# Altium PCB 10515.0461_全联供输出板_V1.1_20200827_1P.PcbDoc (part 3 of 4)
Units mm, origin at the board's own origin, x right, y up, seen from the top; angles counter-clockwise.
Board outline 141.98 x 134.8 mm, 2 copper layers (Top Layer, Bottom Layer); 162 components, 136 nets, 665 pads, 421 vias.
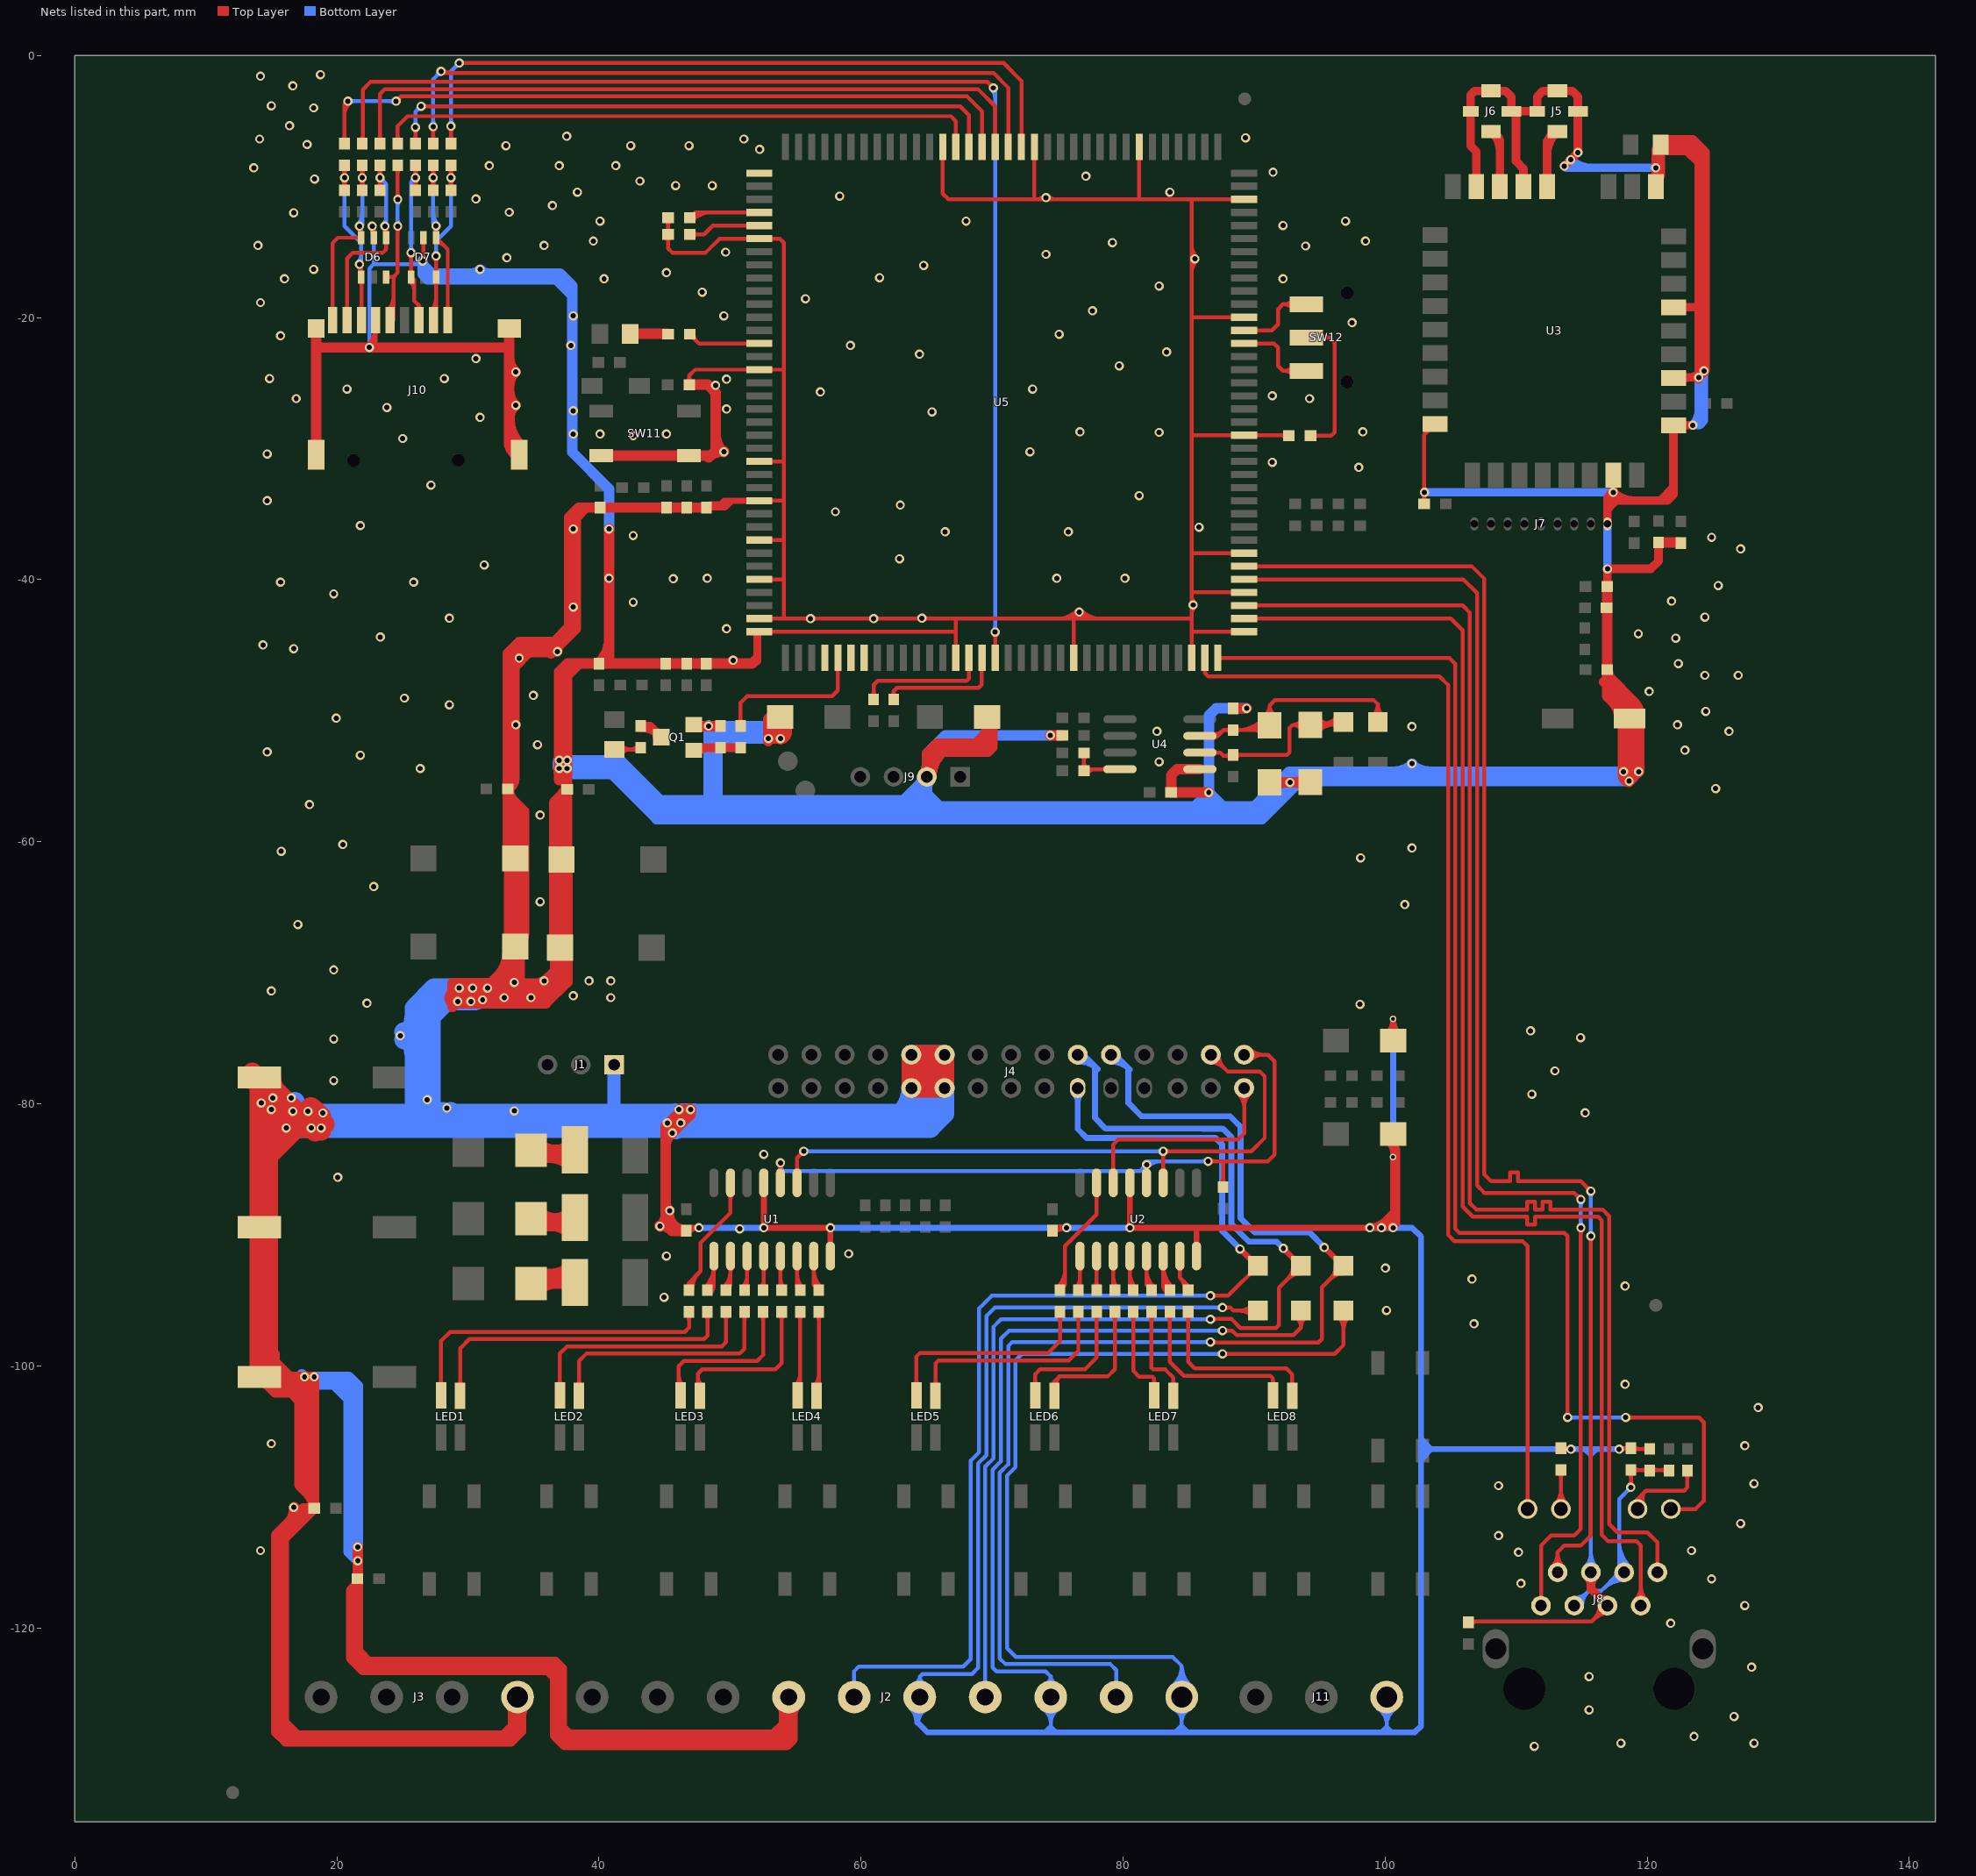
[diagram p3: the nets of this part, all layers, seen from the top]

## Via types
v1: diameter 0.7, hole 0.4, Top Layer to Bottom Layer, tented both sides, 417 vias
v2: diameter 0.5, hole 0.3, Top Layer to Bottom Layer, tented both sides, 4 vias

## Nets (pads, with @x,y where several pads share a name; then routed paths per layer and width w, separated by ;. In a path a pad name is that pad's centre, name@x,y a point inside that pad or via, vN(x,y) a via of type N, cw(c..) or ccw(c..) an arc to the next point about the centre after c; other vN are vias at no path point) (continued)
GND: (continued)
  other v1: 111.379,-129.032 117.983,-128.793 128.143,-128.793 123.571,-128.285 126.619,-126.761 115.57,-126.253 115.57,-123.713 127.956,-122.989 121.793,-119.649 127.448,-118.29 110.363,-116.601 124.908,-116.258 110.176,-114.226 14.164,-114.099 123.384,-114.099 21.59,-113.817 108.652,-112.956 127.127,-112.029 16.704,-110.797 108.652,-109.146 128.143,-108.981 127.448,-106.098 14.986,-105.933 128.464,-103.177 118.304,-101.399 106.782,-96.789 100.101,-95.773 44.958,-94.757 118.304,-93.906 106.62,-93.37 100.016,-92.532 45.152,-91.62 59.055,-91.44 50.74,-89.535 99.72,-89.461 44.644,-89.334 45.399,-88.153 20.066,-85.613 52.578,-83.857 45.593,-82.222 18.034,-81.841 45.212,-81.46 46.228,-81.46 18.923,-80.698 115.256,-80.696 16.637,-80.571 17.78,-80.571 33.528,-80.533 14.986,-80.444 46.101,-80.444 28.388,-80.317 26.888,-79.688 15.113,-79.555 16.51,-79.555 111.192,-79.273 19.752,-78.232 112.954,-77.485 19.752,-75.057 114.91,-74.945 24.832,-74.803 111.1,-74.437 98.069,-72.405 22.292,-72.316 29.21,-72.189 30.226,-72.189 31.115,-72.062 32.766,-71.897 34.798,-71.897 40.894,-71.897 38.04,-71.755 14.986,-71.389 30.353,-71.173 33.528,-70.739 35.814,-70.612 39.243,-70.612 40.894,-70.612 19.752,-69.776 17.018,-66.309 101.498,-64.785 35.5,-64.569 22.8,-63.426 98.12,-61.229 15.748,-60.721 102.048,-60.477 20.447,-60.213 35.5,-57.965 17.907,-57.165 125.222,-55.933 118.186,-54.648 26.356,-54.409 102.048,-54.026 82.744,-53.899 21.784,-53.393 14.672,-53.139 122.876,-53.012 35.306,-52.593 82.575,-51.577 126.238,-51.577 102.048,-51.206 33.655,-51.069 122.301,-51.069 19.939,-50.561 124.46,-50.053 28.575,-49.545 25.146,-49.037 34.992,-48.821 120.142,-48.529 124.4,-47.297 126.94,-47.297 122.368,-46.408 50.232,-46.154 33.909,-45.989 36.83,-45.481 16.704,-45.265 14.351,-44.973 122.174,-44.465 23.308,-44.376 119.32,-44.122 49.724,-43.741 56.134,-42.969 60.96,-42.969 28.575,-42.941 64.643,-42.941 124.4,-42.852 76.648,-42.471 38.04,-42.09 85.344,-41.925 42.612,-41.709 121.86,-41.631 19.752,-41.074 125.416,-40.439 15.688,-40.185 25.848,-40.185 45.66,-39.931 40.767,-39.893 48.26,-39.893 74.93,-39.893 80.137,-39.893 31.242,-38.877 62.932,-38.407 127.127,-37.645 124.908,-36.756 42.612,-36.629 66.421,-36.337 75.819,-36.337 38.04,-36.121 85.792,-35.994 21.784,-35.867 58.039,-34.813 62.992,-34.305 14.672,-33.962 81.22,-33.581 27.178,-32.781 97.984,-31.422 91.38,-31.041 14.672,-30.406 49.53,-30.241 72.898,-30.241 25.019,-29.225 42.612,-29.009 38.04,-28.882 40.072,-28.882 45.152,-28.882 82.744,-28.755 76.708,-28.717 98.298,-28.717 30.928,-27.612 65.405,-27.193 38.04,-27.104 49.724,-26.977 23.816,-26.85 33.655,-26.685 16.891,-26.177 94.234,-26.177 91.38,-25.961 56.896,-25.669 20.768,-25.453 73.092,-25.453 48.895,-25.161 49.724,-24.691 14.859,-24.653 28.194,-24.653 33.655,-24.145 79.696,-23.675 30.607,-23.129 64.456,-22.786 83.312,-22.621 37.846,-22.113 59.182,-22.113 15.688,-21.389 75.124,-21.262 97.476,-20.373 38.04,-19.865 49.53,-19.865 77.664,-19.482 14.164,-18.849 55.753,-18.557 47.879,-18.049 82.744,-17.579 16.002,-17.033 40.386,-17.033 92.202,-17.033 61.408,-16.944 45.152,-16.563 18.228,-16.309 30.928,-16.309 64.77,-16.017 85.471,-15.509 32.96,-15.42 74.108,-15.166 49.657,-15.001 93.92,-14.531 13.97,-14.493 35.814,-14.493 79.188,-14.277 39.564,-14.15 98.492,-14.15 22.694,-13.012 92.202,-12.969 40.072,-12.626 68.012,-12.626 96.968,-12.626 16.704,-11.991 33.147,-11.953 36.449,-11.445 30.607,-10.937 74.108,-10.848 58.36,-10.721 38.354,-10.429 83.566,-10.429 45.847,-9.921 48.641,-9.921 43.12,-9.578 18.288,-9.413 77.156,-9.197 91.44,-8.905 13.656,-8.562 31.623,-8.397 36.957,-8.397 41.275,-8.397 114.158,-7.942 52.264,-7.165 32.893,-6.873 42.418,-6.873 46.863,-6.873 17.72,-6.784 14.097,-6.365 51.054,-6.365 89.348,-6.276 37.532,-6.149 16.383,-5.349 18.228,-3.99 14.986,-3.825 16.637,-2.301 14.164,-1.577 18.736,-1.45
KNX_RS485_SELECT: U5.43
LED1: R35.1 U5.14 | length 7
  Top Layer w0.3: R35.1@46.926,-21.262 47.634,-21.969 U5.14@52.232,-21.969 ; R35.1@46.965,-21.518 cw(c46.965,-22.045) 47.337,-21.673 ; R35.1@47.221,-21.262 ccw(c47.932,-21.262) 47.429,-21.765 ; U5.14@51.419,-22.057 ccw(c51.205,-22.271) 51.205,-21.969 ccw(c51.205,-21.667) U5.14@51.419,-21.881
LED_FULL_COLOR_BLUE: R36.1 U5.41 | length 13.5
  Top Layer w0.3: R36.1@50.619,-50.951 ccw(c50.181,-50.513) 50.8,-50.513 ccw(c51.419,-50.513) R36.1@50.981,-50.951 ; R36.1@50.8,-51.17 50.8,-49.403 51.308,-48.895 57.785,-48.895 58.232,-48.448 U5.41@58.232,-45.969 ; U5.41@58.144,-46.782 cw(c57.93,-46.996) 58.232,-46.996 cw(c58.534,-46.996) U5.41@58.32,-46.782
LED_FULL_COLOR_GREEN: U5.42
LED_FULL_COLOR_RED: U5.40
MCU_CD: R66.1 U5.53 | length 100.7
  Top Layer w0.3: R66.1@21.747,-6.501 ccw(c21.207,-5.961) 21.971,-5.961 ; R66.1@21.971,-6.678 21.971,-5.472 21.971,-2.593 22.563,-2.001 69.639,-2.001 v1(70.104,-2.466) ; 21.971,-6.166 ccw(c22.445,-6.166) R66.1@22.11,-6.501 ; v1@69.904,-2.466 ccw(c69.421,-2.466) 69.763,-2.125 ccw(c70.104,-1.783) v1@70.104,-2.266 ; v1@70.091,-44.137 cw(c69.749,-44.479) 70.232,-44.479 cw(c70.715,-44.479) v1@70.373,-44.137 ; U5.53@70.144,-45.156 ccw(c69.93,-44.942) 70.232,-44.942 ccw(c70.534,-44.942) U5.53@70.32,-45.156 ; U5.53@70.232,-45.969 v1(70.232,-43.996)
  Bottom Layer w0.3: v1@69.963,-2.607 cw(c69.312,-3.258) 70.232,-3.258 ; v1@70.091,-43.855 ccw(c69.749,-43.513) 70.232,-43.513 ccw(c70.715,-43.513) v1@70.373,-43.855 ; v1(70.232,-43.996) 70.232,-42.062 70.232,-8.816 ; 70.232,-8.562 70.232,-8.816 ; v1@70.232,-2.594 70.232,-8.816
MCU_CD1: D6.3 J10.9 R33.1 R66.2 | length 21.4
  Top Layer w0.3: J10.9@19.521,-19.389 ccw(c19.18,-19.048) 19.663,-19.048 ccw(c20.146,-19.048) J10.9@19.804,-19.389 ; J10.9@19.663,-20.181 19.663,-14.299 20.066,-13.896 D6.3@21.849,-13.896 v1@21.849,-13.012 ; v1@21.581,-13.153 cw(c20.933,-13.801) D6.3@21.849,-13.801 ; R33.1@21.747,-10.057 ccw(c21.31,-9.619) 21.929,-9.619 ccw(c22.548,-9.619) R33.1@22.11,-10.057 ; R66.2@21.747,-8.591 cw(c21.31,-9.029) 21.929,-9.029 cw(c22.548,-9.029) R66.2@22.11,-8.591 ; v1@21.787,-9.465 cw(c21.446,-9.807) 21.929,-9.807 cw(c22.412,-9.807) v1@22.07,-9.465 ; v1@21.787,-9.183 ccw(c21.446,-8.841) 21.929,-8.841 ccw(c22.412,-8.841) v1@22.07,-9.183 ; R33.1@21.929,-10.276 R66.2@21.929,-8.371
  Bottom Layer w0.3: v1@21.581,-12.871 ccw(c20.74,-12.03) 21.929,-12.03 ; v1@21.787,-9.465 cw(c21.446,-9.807) 21.929,-9.807 cw(c22.412,-9.807) v1@22.07,-9.465 ; v1@21.849,-13.012 21.929,-12.932 v1(21.929,-9.324)
  other v1: 21.722,-13.012
MCU_CLK: R69.1 U5.127 | length 47.8
  Top Layer w0.3: R69.1@24.457,-6.501 ccw(c24.019,-6.063) 24.638,-6.063 ccw(c25.257,-6.063) R69.1@24.819,-6.501 ; R69.1@24.638,-6.72 24.638,-5.387 25.4,-4.625 66.851,-4.625 67.232,-5.006 U5.127@67.232,-6.969 ; U5.127@67.144,-6.156 ccw(c66.93,-5.942) 67.232,-5.942 ccw(c67.534,-5.942) U5.127@67.32,-6.156
MCU_CLK1: D6.6 J10.5 R69.2 | length 18.1
  Top Layer w0.3: D6.6@23.749,-16.896 24.313,-16.896 ; J10.5@23.918,-19.389 ccw(c22.963,-18.435) 24.313,-18.435 ; J10.5@24.13,-19.602 ccw(c23.688,-19.159) 24.313,-19.159 ; J10.5@24.313,-20.181 24.313,-16.896 ; R69.2@24.457,-8.591 cw(c24.019,-9.029) 24.638,-9.029 cw(c25.257,-9.029) R69.2@24.819,-8.591 ; v1@24.497,-13.153 cw(c24.155,-13.495) 24.638,-13.495 cw(c25.121,-13.495) v1@24.779,-13.153 ; v1@24.497,-10.834 ccw(c24.155,-10.492) 24.638,-10.492 ccw(c25.121,-10.492) v1@24.779,-10.834 ; v1@24.638,-13.007 24.638,-16.571 24.313,-16.896 ; v1(24.638,-10.975) R69.2@24.638,-8.371
  Bottom Layer w0.3: v1@24.497,-12.871 ccw(c24.155,-12.529) 24.638,-12.529 ccw(c25.121,-12.529) v1@24.779,-12.871 ; v1@24.497,-11.116 cw(c24.155,-11.458) 24.638,-11.458 cw(c25.121,-11.458) v1@24.779,-11.116 ; v1@24.638,-13.007 v1(24.638,-10.975)
  other v1: 24.638,-13.012
MCU_CMD: R70.1 U5.126 | length 52
  Top Layer w0.3: R70.1@25.811,-6.501 ccw(c25.374,-6.063) 25.993,-6.063 ccw(c26.612,-6.063) R70.1@26.174,-6.501 ; v1@25.851,-5.613 cw(c25.51,-5.955) 25.993,-5.955 cw(c26.476,-5.955) v1@26.134,-5.613 ; R70.1@25.993,-6.72 v1(25.993,-5.472) ; v1(26.416,-3.863) 67.564,-3.863 68.232,-4.531 U5.126@68.232,-6.969 ; v1@26.557,-4.004 cw(c26.899,-4.346) 26.899,-3.863 cw(c26.899,-3.38) v1@26.557,-3.722 ; U5.126@68.144,-6.156 ccw(c67.93,-5.942) 68.232,-5.942 ccw(c68.534,-5.942) U5.126@68.32,-6.156
  Bottom Layer w0.3: v1@25.851,-5.33 ccw(c25.51,-4.989) 25.993,-4.989 ccw(c26.476,-4.989) v1@26.134,-5.33 ; v1(25.993,-5.472) 25.993,-4.286 v1(26.416,-3.863) ; v1@26.216,-3.863 cw(c25.733,-3.863) 26.075,-4.204 cw(c26.416,-4.546) v1@26.416,-4.063
MCU_CMD1: D7.4 J10.3 R30.1 R70.2 | length 22.7
  Top Layer w0.3: v1@25.513,-15.18 cw(c25.171,-15.522) 25.654,-15.522 cw(c26.137,-15.522) v1@25.795,-15.18 ; D7.4@25.583,-17.217 cw(c24.799,-18.001) 25.908,-18.001 ; v1(25.654,-15.039) D7.4@25.654,-16.896 25.908,-17.15 25.908,-18.722 26.258,-19.072 ; D7.4@25.795,-17.005 cw(c25.524,-17.276) 25.908,-17.276 ; R30.1@25.811,-10.057 ccw(c25.374,-9.619) 25.993,-9.619 ccw(c26.612,-9.619) R30.1@26.174,-10.057 ; R70.2@25.811,-8.591 cw(c25.374,-9.029) 25.993,-9.029 cw(c26.612,-9.029) R70.2@26.174,-8.591 ; v1@25.851,-9.465 cw(c25.51,-9.807) 25.993,-9.807 cw(c26.476,-9.807) v1@26.134,-9.465 ; v1@25.851,-9.183 ccw(c25.51,-8.841) 25.993,-8.841 ccw(c26.476,-8.841) v1@26.134,-9.183 ; R30.1@25.993,-10.276 R70.2@25.993,-8.371 ; J10.3@26.121,-19.384 ccw(c25.83,-19.072) 26.258,-19.072 ; 26.141,-18.955 cw(c25.613,-19.482) J10.3@26.357,-19.538 ; J10.3@26.258,-20.181 26.258,-19.072 ; J10.3@26.394,-19.384 cw(c26.685,-19.072) 26.258,-19.072
  Bottom Layer w0.3: v1@25.513,-14.898 ccw(c25.171,-14.556) 25.654,-14.556 ccw(c26.137,-14.556) v1@25.795,-14.898 ; v1(25.654,-15.039) 25.654,-9.663 v1(25.993,-9.324) ; 25.654,-10.624 cw(c27.293,-10.624) v1@26.134,-9.465 ; 25.654,-9.9 cw(c26.569,-9.9) v1@25.922,-9.253
MCU_DATA0: R68.1 U5.125 | length 60.4
  Top Layer w0.3: R68.1@20.393,-6.501 ccw(c19.955,-6.063) 20.574,-6.063 ccw(c21.193,-6.063) R68.1@20.755,-6.501 ; R68.1@20.574,-6.72 20.574,-3.736 v1(20.828,-3.482) ; 20.574,-4.578 cw(c21.924,-4.578) v1@20.969,-3.623 ; 20.574,-3.854 cw(c21.2,-3.854) v1@20.757,-3.411 ; v1(24.511,-3.482) 24.884,-3.109 68.08,-3.109 69.232,-4.261 U5.125@69.232,-6.969 ; v1@24.511,-3.282 ccw(c24.511,-2.799) 24.852,-3.141 ccw(c25.194,-3.482) v1@24.711,-3.482 ; U5.125@69.144,-6.156 ccw(c68.93,-5.942) 69.232,-5.942 ccw(c69.534,-5.942) U5.125@69.32,-6.156
  Bottom Layer w0.3: v1(20.828,-3.482) v1(24.511,-3.482) ; v1@20.969,-3.623 cw(c21.311,-3.965) 21.311,-3.482 cw(c21.311,-2.999) v1@20.969,-3.341 ; v1@24.37,-3.623 ccw(c24.028,-3.965) 24.028,-3.482 ccw(c24.028,-2.999) v1@24.37,-3.341
MCU_DATA1: R67.1 U5.124 | length 56
  Top Layer w0.3: R67.1@23.102,-6.501 ccw(c22.664,-6.063) 23.283,-6.063 ccw(c23.902,-6.063) R67.1@23.465,-6.501 ; R67.1@23.283,-6.72 23.283,-2.932 23.66,-2.555 68.923,-2.555 70.232,-3.864 U5.124@70.232,-6.969 ; U5.124@70.144,-6.156 ccw(c69.93,-5.942) 70.232,-5.942 ccw(c70.534,-5.942) U5.124@70.32,-6.156
MCU_DATA01: D6.4 J10.7 R31.1 R68.2 | length 19.8
  Top Layer w0.3: R31.1@20.393,-10.057 ccw(c19.955,-9.619) 20.574,-9.619 ccw(c21.193,-9.619) R31.1@20.755,-10.057 ; R68.2@20.393,-8.591 cw(c19.955,-9.029) 20.574,-9.029 cw(c21.193,-9.029) R68.2@20.755,-8.591 ; v1@20.433,-9.465 cw(c20.091,-9.807) 20.574,-9.807 cw(c21.057,-9.807) v1@20.715,-9.465 ; v1@20.433,-9.183 ccw(c20.091,-8.841) 20.574,-8.841 ccw(c21.057,-8.841) v1@20.715,-9.183 ; R31.1@20.574,-10.276 R68.2@20.574,-8.371 ; v1@21.576,-16.069 cw(c20.928,-16.717) D6.4@21.844,-16.717 ; J10.7@21.723,-19.389 ccw(c21.382,-19.048) 21.865,-19.048 ccw(c22.347,-19.048) J10.7@22.006,-19.389 ; D6.4@21.773,-17.217 cw(c21.553,-17.437) 21.865,-17.437 ; D6.4@21.844,-16.896 v1@21.844,-15.928 ; J10.7@21.865,-20.181 D6.4@21.865,-17.044
  Bottom Layer w0.3: v1@20.433,-9.465 cw(c20.091,-9.807) 20.574,-9.807 cw(c21.057,-9.807) v1@20.715,-9.465 ; v1(20.574,-9.324) 20.574,-13.007 21.844,-14.277 v1@21.844,-15.928 ; v1@21.576,-15.787 ccw(c20.928,-15.139) 21.844,-15.139
  other v1: 21.717,-15.928
MCU_DATA2: R72.1 U5.123 | length 58.5
  Top Layer w0.3: R72.1@27.166,-6.501 ccw(c26.728,-6.063) 27.347,-6.063 ccw(c27.966,-6.063) R72.1@27.529,-6.501 ; v1@27.206,-5.571 cw(c26.864,-5.912) 27.347,-5.912 cw(c27.83,-5.912) v1@27.489,-5.571 ; R72.1@27.347,-6.72 v1(27.347,-5.429) ; v1(27.94,-1.196) 28.059,-1.315 70.096,-1.315 71.232,-2.451 U5.123@71.232,-6.969 ; v1@28.081,-1.055 ccw(c28.71,-0.426) 28.71,-1.315 ; U5.123@71.144,-6.156 ccw(c70.93,-5.942) 71.232,-5.942 ccw(c71.534,-5.942) U5.123@71.32,-6.156
  Bottom Layer w0.3: v1@27.206,-5.288 ccw(c26.864,-4.946) 27.347,-4.946 ccw(c27.83,-4.946) v1@27.489,-5.288 ; v1(27.347,-5.429) 27.347,-1.789 v1(27.94,-1.196) ; v1@27.74,-1.196 cw(c27.257,-1.196) 27.599,-1.537 cw(c27.94,-1.879) v1@27.94,-1.396
MCU_DATA3: R71.1 U5.122 | length 58.6
  Top Layer w0.3: R71.1@28.521,-6.501 ccw(c28.083,-6.063) 28.702,-6.063 ccw(c29.321,-6.063) R71.1@28.883,-6.501 ; v1@28.561,-5.528 cw(c28.219,-5.87) 28.702,-5.87 cw(c29.185,-5.87) v1@28.843,-5.528 ; R71.1@28.702,-6.72 v1(28.702,-5.387) ; v1(29.337,-0.561) 70.866,-0.561 72.232,-1.927 U5.122@72.232,-6.969 ; U5.122@72.144,-6.156 ccw(c71.93,-5.942) 72.232,-5.942 ccw(c72.534,-5.942) U5.122@72.32,-6.156
  Bottom Layer w0.3: v1@28.561,-5.246 ccw(c28.219,-4.904) 28.702,-4.904 ccw(c29.185,-4.904) v1@28.843,-5.246 ; v1(28.702,-5.387) 28.702,-1.196 v1(29.337,-0.561) ; v1@29.137,-0.561 cw(c28.654,-0.561) 28.996,-0.902 cw(c29.337,-1.244) v1@29.337,-0.761
MCU_DATA11: D6.1 J10.8 R32.1 R67.2 | length 21.7
  Top Layer w0.3: J10.8@20.625,-19.389 ccw(c20.284,-19.048) 20.767,-19.048 ccw(c21.249,-19.048) J10.8@20.908,-19.389 ; J10.8@20.767,-20.181 20.767,-15.481 21.209,-15.039 23.495,-15.039 23.749,-14.785 D6.1@23.749,-13.896 v1@23.749,-13.007 ; R32.1@23.102,-10.057 ccw(c22.664,-9.619) 23.283,-9.619 ccw(c23.902,-9.619) R32.1@23.465,-10.057 ; R67.2@23.102,-8.591 cw(c22.664,-9.029) 23.283,-9.029 cw(c23.902,-9.029) R67.2@23.465,-8.591 ; v1@23.142,-9.465 cw(c22.8,-9.807) 23.283,-9.807 cw(c23.766,-9.807) v1@23.425,-9.465 ; v1@23.142,-9.183 ccw(c22.8,-8.841) 23.283,-8.841 ccw(c23.766,-8.841) v1@23.425,-9.183 ; R32.1@23.283,-10.276 R67.2@23.283,-8.371 ; v1@23.525,-13.153 cw(c22.983,-13.695) D6.1@23.749,-13.695
  Bottom Layer w0.3: v1@23.283,-9.524 cw(c23.283,-10.007) 23.625,-9.665 cw(c23.966,-9.324) v1@23.483,-9.324 ; v1(23.283,-9.324) 23.58,-9.62 23.749,-9.79 v1@23.749,-13.007 ; v1@23.525,-12.871 ccw(c22.983,-12.329) 23.749,-12.329
  other v1: 23.666,-13.012
MCU_DATA21: D7.1 J10.1 R50.1 R72.2 | length 20.6
  Top Layer w0.3: R50.1@27.166,-10.057 ccw(c26.728,-9.619) 27.347,-9.619 ccw(c27.966,-9.619) R50.1@27.529,-10.057 ; R72.2@27.166,-8.591 cw(c26.728,-9.029) 27.347,-9.029 cw(c27.966,-9.029) R72.2@27.529,-8.591 ; v1@27.206,-9.465 cw(c26.864,-9.807) 27.347,-9.807 cw(c27.83,-9.807) v1@27.489,-9.465 ; v1@27.206,-9.183 ccw(c26.864,-8.841) 27.347,-8.841 ccw(c27.83,-8.841) v1@27.489,-9.183 ; R50.1@27.347,-10.276 R72.2@27.347,-8.371 ; v1@27.418,-13.148 cw(c27.076,-13.49) 27.559,-13.49 cw(c28.042,-13.49) v1@27.7,-13.148 ; D7.1@27.559,-14.246 cw(c27.559,-15.091) 28.156,-14.493 ; v1(27.559,-13.007) D7.1@27.559,-13.896 28.454,-14.791 J10.1@28.454,-20.181 ; J10.1@28.312,-19.389 ccw(c27.971,-19.048) 28.454,-19.048 ccw(c28.936,-19.048) J10.1@28.595,-19.389
  Bottom Layer w0.3: v1@27.206,-9.465 cw(c26.864,-9.807) 27.347,-9.807 cw(c27.83,-9.807) v1@27.489,-9.465 ; 27.347,-12.013 ccw(c28.553,-12.013) v1@27.7,-12.866 ; v1(27.347,-9.324) 27.347,-12.795 v1(27.559,-13.007)
MCU_DATA31: D7.6 J10.2 R52.1 R71.2 | length 20
  Top Layer w0.3: J10.2@27.213,-19.391 ccw(c26.376,-18.555) 27.559,-18.555 ; J10.2@27.354,-20.183 27.354,-19.435 27.559,-19.23 D7.6@27.559,-16.896 v1(27.559,-15.293) ; v1@27.418,-15.434 cw(c27.076,-15.776) 27.559,-15.776 cw(c28.042,-15.776) v1@27.7,-15.434 ; R52.1@28.521,-10.057 ccw(c28.083,-9.619) 28.702,-9.619 ccw(c29.321,-9.619) R52.1@28.883,-10.057 ; R71.2@28.521,-8.591 cw(c28.083,-9.029) 28.702,-9.029 cw(c29.321,-9.029) R71.2@28.883,-8.591 ; v1@28.561,-9.465 cw(c28.219,-9.807) 28.702,-9.807 cw(c29.185,-9.807) v1@28.843,-9.465 ; v1@28.561,-9.183 ccw(c28.219,-8.841) 28.702,-8.841 ccw(c29.185,-8.841) v1@28.843,-9.183 ; R52.1@28.702,-10.276 R71.2@28.702,-8.371
  Bottom Layer w0.3: v1@27.418,-15.152 ccw(c27.076,-14.81) 27.559,-14.81 ccw(c28.042,-14.81) v1@27.7,-15.152 ; v1(27.559,-15.293) 27.559,-14.15 28.702,-13.007 v1(28.702,-9.324) ; v1@28.561,-9.465 cw(c28.219,-9.807) 28.702,-9.807 cw(c29.185,-9.807) v1@28.843,-9.465
MOD_BOOT_NAND: SW12.3 U5.93 | length 8.6
  Top Layer w0.3: U5.93@89.232,-21.969 91.512,-21.969 91.821,-22.278 91.821,-23.675 92.202,-24.056 SW12.3@93.98,-24.056 ; U5.93@90.045,-22.057 cw(c90.259,-22.271) 90.259,-21.969 cw(c90.259,-21.667) U5.93@90.045,-21.881 ; SW12.3@92.992,-24.374 ccw(c92.224,-25.142) 92.224,-24.056 ccw(c92.224,-22.97) SW12.3@92.992,-23.738
MOD_BOOT_SD: SW12.1 U5.94 | length 8.4
  Top Layer w0.3: U5.94@89.232,-20.969 91.352,-20.969 91.821,-20.5 91.821,-19.357 92.202,-18.976 SW12.1@93.98,-18.976 ; U5.94@90.045,-21.057 cw(c90.259,-21.271) 90.259,-20.969 cw(c90.259,-20.667) U5.94@90.045,-20.881 ; SW12.1@92.992,-19.294 ccw(c92.224,-20.062) 92.224,-18.976 ccw(c92.224,-17.89) SW12.1@92.992,-18.658
NET0_LED_ACT: J8.12 U5.70 | length 107.7
  Top Layer w0.3: U5.70@87.232,-46.772 U5.70@87.232,-45.969 104.897,-45.969 105.353,-46.425 105.353,-89.531 105.664,-89.842 113.665,-89.842 113.919,-90.096 v1(113.919,-103.939) ; U5.70@87.32,-46.057 cw(c87.534,-46.271) 87.534,-45.969 cw(c87.534,-45.667) U5.70@87.32,-45.881 ; v1@113.778,-103.798 ccw(c113.436,-103.456) 113.919,-103.456 ccw(c114.402,-103.456) v1@114.06,-103.798 ; v1(118.364,-103.939) 123.952,-103.939 124.333,-104.32 124.333,-110.287 123.696,-110.924 J8.12@121.801,-110.924 ; v1@118.505,-104.08 cw(c118.847,-104.422) 118.847,-103.939 cw(c118.847,-103.456) v1@118.505,-103.798
  Bottom Layer w0.3: v1(113.919,-103.939) v1(118.364,-103.939) ; v1@114.06,-104.08 cw(c114.402,-104.422) 114.402,-103.939 cw(c114.402,-103.456) v1@114.06,-103.798 ; v1@118.223,-104.08 ccw(c117.881,-104.422) 117.881,-103.939 ccw(c117.881,-103.456) v1@118.223,-103.798
NET0_LED_LINK: J8.9 U5.69 | length 89.5
  Top Layer w0.3: U5.69@86.232,-45.969 86.232,-47.116 86.489,-47.373 87.674,-47.373 87.676,-47.371 104.14,-47.371 104.799,-48.03 104.799,-89.993 105.283,-90.477 110.49,-90.477 110.871,-90.858 J8.9@110.871,-110.924 ; 86.232,-46.996 cw(c86.534,-46.996) 86.32,-46.782 ccw(c86.534,-46.996) 86.232,-46.996 ; 86.232,-46.996 ccw(c85.93,-46.996) 86.144,-46.782 cw(c85.93,-46.996) 86.232,-46.996
NET0_MDN0: J8.2 U5.72 | length 107.9
  Top Layer w0.3: U5.72@89.232,-42.969 105.019,-42.969 105.907,-43.857 105.907,-87.844 106.681,-88.618 110.823,-88.618 110.823,-89.218 111.423,-89.218 111.423,-88.618 116.251,-88.618 116.54,-88.907 116.54,-112.91 117.013,-113.383 119.18,-113.383 119.511,-113.714 J8.2@119.511,-118.294 ; U5.72@90.045,-43.057 cw(c90.259,-43.271) 90.259,-42.969 cw(c90.259,-42.667) U5.72@90.045,-42.881 ; J8.2@119.087,-117.87 ccw(c118.062,-116.845) 119.511,-116.845 ccw(c120.96,-116.845) J8.2@119.935,-117.87
NET0_MDN1: J8.8 U5.75 | length 108.6
  Top Layer w0.3: U5.75@89.232,-39.969 105.956,-39.969 107.015,-41.028 107.015,-86.24 107.569,-86.794 114.427,-86.794 v1(114.935,-87.302) ; U5.75@90.045,-40.057 cw(c90.259,-40.271) 90.259,-39.969 cw(c90.259,-39.667) U5.75@90.045,-39.881 ; J8.8@111.891,-118.294 111.891,-113.714 112.649,-112.956 114.427,-112.956 114.935,-112.448 v1(114.935,-89.461) ; v1@114.735,-87.302 ccw(c114.252,-87.302) 114.594,-86.961 ccw(c114.935,-86.619) v1@114.935,-87.102 ; v1@114.794,-89.602 cw(c114.452,-89.944) 114.935,-89.944 cw(c115.418,-89.944) v1@115.076,-89.602
  Bottom Layer w0.3: v1@114.794,-89.32 ccw(c114.452,-88.978) 114.935,-88.978 ccw(c115.418,-88.978) v1@115.076,-89.32 ; v1@114.794,-87.443 cw(c114.452,-87.785) 114.935,-87.785 cw(c115.418,-87.785) v1@115.076,-87.443 ; v1(114.935,-89.461) v1(114.935,-87.302)
NET0_MDP0: J8.1 U5.73 | length 106.5
  Top Layer w0.3: U5.73@89.232,-41.969 105.924,-41.969 106.461,-42.506 106.461,-87.578 106.947,-88.064 110.823,-88.064 110.823,-87.464 111.423,-87.464 111.423,-88.064 112.023,-88.064 112.023,-87.464 112.623,-87.464 112.623,-88.064 116.586,-88.064 117.094,-88.572 117.094,-112.067 117.729,-112.702 120.015,-112.702 120.781,-113.468 J8.1@120.781,-115.754 ; U5.73@90.045,-42.057 cw(c90.259,-42.271) 90.259,-41.969 cw(c90.259,-41.667) U5.73@90.045,-41.881
NET0_MDP1: J8.7 U5.76 | length 110.9
  Top Layer w0.3: U5.76@89.232,-38.969 106.607,-38.969 107.569,-39.931 107.569,-85.397 108.077,-85.905 109.52,-85.905 109.52,-85.229 110.12,-85.229 110.12,-85.905 114.935,-85.905 v1(115.697,-86.667) ; U5.76@90.045,-39.057 cw(c90.259,-39.271) 90.259,-38.969 cw(c90.259,-38.667) U5.76@90.045,-38.881 ; J8.7@112.737,-115.33 ccw(c111.712,-114.305) 113.161,-114.305 ccw(c114.61,-114.305) J8.7@113.585,-115.33 ; J8.7@113.161,-115.754 113.161,-114.222 113.665,-113.718 114.935,-113.718 115.697,-112.956 v1(115.697,-90.096) ; v1@115.497,-86.667 ccw(c115.014,-86.667) 115.356,-86.326 ccw(c115.697,-85.984) v1@115.697,-86.467 ; v1@115.556,-90.237 cw(c115.214,-90.579) 115.697,-90.579 cw(c116.18,-90.579) v1@115.838,-90.237